# Altium PCB Farmduino.PcbDoc (part 1 of 3) (continued)
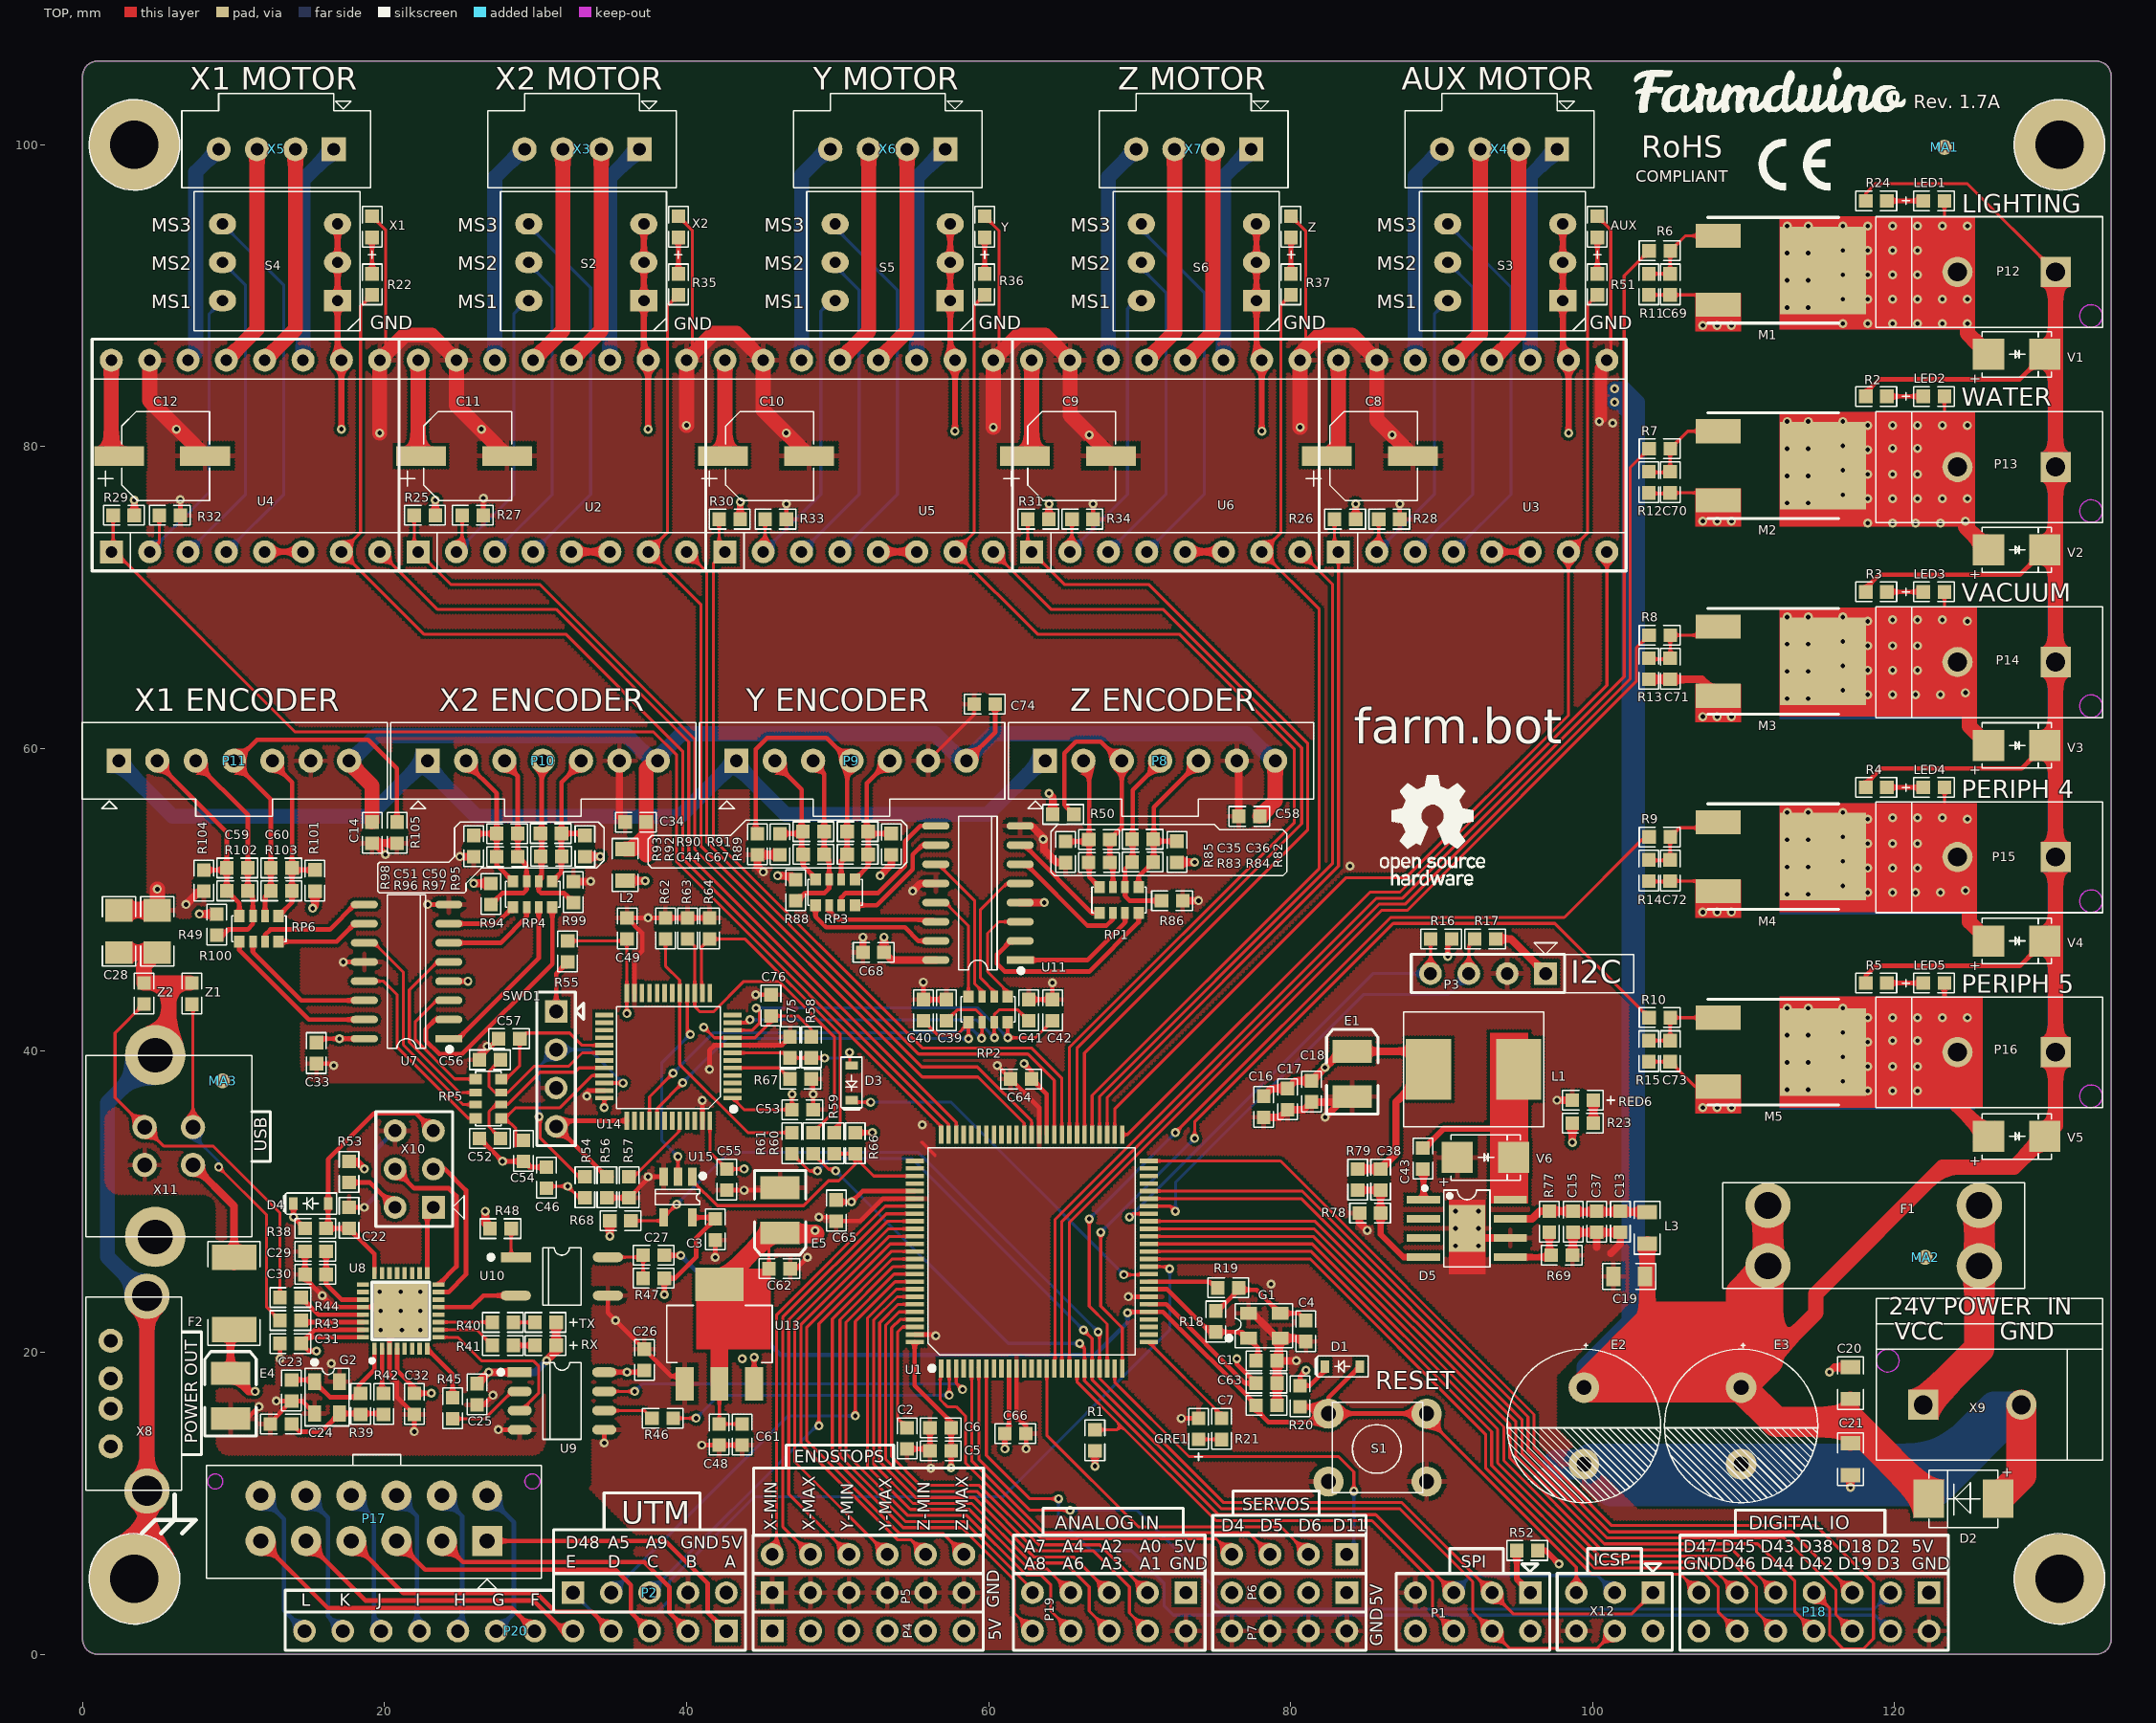
[diagram p0: TOP view]
## Classes and differential pairs
component class ZC-STM32: C53 C55 C61 C62 C76 R54 R55 R56 R57 R59 R60 R61 R62 R63 R64 R67 R68 SWD1 U14 U15
component class ZC-AB: C14 C33 C34 C35 C36 C39 C40 C41 C42 C44 C50 C51 C52 C54 C56 C57 C58 C59 C60 C67 C68 C74 L2 P8 P9 P10 P11 R50 R82 R83 R84 R85 R86 R88 R89 R90 R91 R92 R93 R94 R95 R96 R97 R98 R99 R100 R101 R102 R103 R104 R105 RP1 RP2 RP3 RP4 RP5 RP6 U7 U11
component class ZC-MCU: C1 C2 C3 C4 C5 C6 C7 C63 C64 C65 C66 C75 D1 D3 G1 GRE1 MA1 MA2 MA3 P1 P2 P17 P18 P19 P20 R1 R18 R19 R20 R21 R23 R52 R58 R66 RED6 S1 U1 X12
component class ZC-MOTOR: AUX C8 C9 C10 C11 C12 R22 R25 R26 R27 R28 R29 R30 R31 R32 R33 R34 R35 R36 R37 R51 S2 S3 S4 S5 S6 U2 U3 U4 U5 U6 X1 X2 X3 X4 X5 X6 X7 Y Z
component class ZC-POWER: C13 C15 C16 C17 C18 C19 C20 C21 C37 C38 C43 C46 C48 C49 D2 D5 E1 E2 E3 E5 F1 L1 L3 R69 R77 R78 R79 U13 V6 X8 X9
component class ZC-USB: C22 C23 C24 C25 C26 C27 C28 C29 C30 C31 C32 D4 E4 F2 G2 R38 R39 R40 R41 R42 R43 R44 R45 R46 R47 R48 R49 R53 RX TX U8 U9 U10 X10 X11 Z1 Z2
component class ZC_MOS: AUX1 AUX2 C69 C70 C71 C72 C73 LED1 LED2 LED3 LED4 LED5 LIGHTING M1 M2 M3 M4 M5 P3 P4 P5 P6 P7 P12 P13 P14 P15 P16 PUMP R2 R3 R4 R5 R6 R7 R8 R9 R10 R11 R12 R13 R14 R15 R16 R17 R24 SOLENOID V1 V2 V3 V4 V5

## Components (designator, comment, footprint, x,y, rotation, side; value= is the part's Value field where it differs from the comment)
AUX "LED,绿色,0603" LED-0603 100.322,93.869 r90 top
C1 "22PF,50V,0603" RC0603 77.716,19.447 r0 top
C2 "100NF,25V,0603" RC0603 54.602,15.002 r270 top
C3 "100NF,25V,0603" RC0603 41.902,28.845 r270 top
C4 "22PF,50V,0603" RC0603 81.018,20.717 r90 top
C5 "100NF,25V,0603" RC0603 57.523,13.478 r180 top
C6 "100NF,25V,0603" RC0603 57.523,15.002 r180 top
C7 "22PF,25V,0603" RC0603 77.716,16.484 r0 top
C8 "100UF,35V" EC-5X5.3 82.415,79.391 r0 top locked
C9 "100UF,35V" EC-5X5.3 62.413,79.391 r0 top locked
C10 "100UF,35V" EC-5X5.3 42.41,79.391 r0 top locked
C11 "100UF,35V" EC-5X5.3 22.408,79.391 r0 top locked
C12 "100UF,35V" EC-5X5.3 2.405,79.391 r0 top locked
C13 "100NF,25V,0603" RC0603 101.846,29.353 r270 top
C14 "1UF,16V,0603" RC0603 19.169,55.134 r270 top
C15 "4.7NF,50V,0603" RC0603 98.713,27.956 r90 top
C16 "1NF,25V,0603" RC0603 78.224,35.576 r90 top
C17 "100NF,25V,0603" RC0603 79.812,36.084 r90 top
C18 "100NF,25V,0603" RC0603 81.399,36.592 r90 top
C19 "100NF,50V,0805" RC0805 103.497,25.035 r180 top
C20 "100NF,50V,0805" RC0805 117.086,16.907 r90 top
C21 "100NF,50V,0805" RC0805 117.08,13.986 r270 top
C22 "22PF,25V,0603" RC0603 17.645,28.21 r90 top
C23 "22PF,50V,0603" RC0603 13.835,18.177 r270 top
C24 "22PF,50V,0603" RC0603 13.835,15.256 r180 top
C25 "100NF,25V,0603" RC0603 26.131,16.526 r90 top
C26 "100NF,25V,0603" RC0603 37.203,18.812 r90 top
C27 "100NF,25V,0603" RC0603 38.523,26.432 r180 top
C28 "1NF,1206,2000V" RC1206 2.405,49.292 r270 top
C29 "100NF,25V,0603" RC0603 14.724,26.686 r0 top
C30 "100NF,25V,0603" RC0603 14.724,25.162 r0 top
C31 "100NF,25V,0603" RC0603 13.073,20.59 r0 top
C32 "10UF,10V,0603" RC0603 21.963,15.891 r90 top
C33 "100NF,25V,0603" RC0603 15.486,40.529 r270 top
C34 "1UF,16V,0603" RC0603 37.33,55.134 r180 top
C35 "1NF,50V,0603" RC0603 66.633,53.984 r0 top
C36 "1NF,50V,0603" RC0603 69.51,53.997 r0 top
C37 "100NF,25V,0603" RC0603 100.28,29.353 r270 top
C38 "22PF,50V,0603" RC0603 85.971,32.147 r270 top
C39 "1NF,50V,0603" RC0603 57.206,43.374 r270 top
C40 "1NF,50V,0603" RC0603 55.682,43.374 r270 top
C41 "1NF,50V,0603" RC0603 62.667,43.374 r270 top
C42 "1NF,50V,0603" RC0603 64.233,43.374 r270 top
C43 "103,0603" RC0603 88.765,33.544 r270 top
C44 "1NF,50V,0603" RC0603 47.714,52.988 r0 top
C46 "100NF,25V,0603" RC0603 30.726,32.274 r270 top
C48 "10UF,10V,0603" RC0603 42.156,13.859 r90 top
C49 "1NF,25V,0603" RC0603 36.06,48.784 r270 top
C50 "1NF,50V,0603" RC0603 30.317,54.378 r0 top
C51 "1NF,50V,0603" RC0603 27.424,54.372 r0 top
C52 "1NF,50V,0603" RC0603 26.281,34.179 r0 top
C53 "100NF,25V,0603" RC0603 46.982,36.084 r0 top
C54 "1NF,50V,0603" RC0603 29.202,32.655 r90 top
C55 "100NF,25V,0603" RC0603 42.664,32.147 r270 top
C56 "1NF,50V,0603" RC0603 26.281,39.386 r0 top
C57 "1NF,50V,0603" RC0603 27.552,40.783 r0 top
C58 "1UF,16V,0603" RC0603 77.97,55.515 r180 top
C59 "1NF,50V,0603" RC0603 9.549,52.093 r0 top
C60 "1NF,50V,0603" RC0603 12.47,52.093 r0 top
C61 "100NF,25V,0603" RC0603 43.68,15.256 r270 top
C62 "100NF,25V,0603" RC0603 45.458,25.543 r0 top
C63 "100NF,25V,0603" RC0603 77.716,17.965 r0 top
C64 "100NF,25V,0603" RC0603 62.857,38.116 r180 top
C65 "100NF,25V,0603" RC0603 49.911,30.099 r270 top
C66 "100NF,25V,0603" RC0603 61.079,14.621 r0 top
C67 "1NF,50V,0603" RC0603 50.635,52.988 r0 top
C68 "100NF,25V,0603" RC0603 53.078,46.498 r180 top
C69 "1NF,25V,0603" RC0603 105.148,90.059 r90 top
C70 "1NF,25V,0603" RC0603 105.148,76.946 r90 top
C71 "1NF,25V,0603" RC0603 105.148,64.595 r90 top
C72 "1NF,25V,0603" RC0603 105.148,51.229 r90 top
C73 "1NF,25V,0603" RC0603 105.148,39.259 r90 top
C74 "1UF,16V,0603" RC0603 60.444,62.941 r180 top
C75 "1NF,25V,0603" RC0603 46.855,40.91 r270 top
C76 "100NF,25V,0603" RC0603 45.593,42.291 r90 top
D1 "1N4148" SOD-323 82.288,19.066 r180 top
D2 "P6SMBJ24CA" SMB 126.865,10.303 r180 top
D3 "1N4148" SOD-323 50.927,36.703 r270 top
D4 "1N4148" SOD-323 13.962,29.861 r180 top
D5 "TPS543X" SO-8-1 91.686,28.21 r270 top
E1 "100uF,6.3V,3528" 3528-21 83.939,38.878 r0 top
E2 "100UF,50V" RB-.2X.4 99.433,17.669 r270 top locked
E3 "100UF,50V" RB-.2X.4 109.847,17.669 r270 top locked
E4 "100uF,6.3V,3528" 3528-21 9.644,17.542 r0 top
E5 "" 3528-21 46.347,28.972 r180 top (schematic designator E1)
F1 "0287015." GF-C40 111.625,29.734 r0 top
F2 "miniASMDC050F-2" RC1812 10.025,26.305 r270 top
G1 "16M" Y-3225 77.215,20.94 r0 top
G2 "16M" Y-3225 15.359,18.05 r270 top
GRE1 "LED,红色,0603" LED-0603 73.912,14.232 r90 top
L1 "22UH" L7*7 95.115,38.751 r180 top
L2 "60R,100MHZ,0805" RC0805 35.933,53.356 r270 top
L3 "60R,100MHZ,0805" RC0805 103.624,27.194 r90 top
LED1 "LED,绿色,0603" LED-0603 121.912,96.292 r0 top
LED2 "LED,绿色,0603" LED-0603 121.912,83.338 r0 top
LED3 "LED,绿色,0603" LED-0603 121.912,70.384 r0 top
LED4 "LED,绿色,0603" LED-0603 121.912,57.43 r0 top
LED5 "LED,绿色,0603" LED-0603 121.912,44.466 r0 top
M1 "IRFR3709ZTRPBF" DPAK 108.323,93.976 r270 top locked
M2 "IRFR3709ZTRPBF" DPAK 108.323,81.027 r270 top locked
M3 "IRFR3709ZTRPBF" DPAK 108.323,68.078 r270 top locked
M4 "IRFR3709ZTRPBF" DPAK 108.323,55.129 r270 top locked
M5 "IRFR3709ZTRPBF" DPAK 108.323,42.18 r270 top
MA1 "MAKE" MARK 123.309,99.838 r90 top (schematic designator M400)
MA2 "MAKE" MARK 122.039,26.305 r90 top (schematic designator M400)
MA3 "MAKE" MARK 9.263,37.989 r90 top (schematic designator M400)
P1 "2*4-2.54" HDR2X4 95.893,4.08 r180 top locked
P2 "Header 5" HDR1X5 32.473,4.08 r0 top locked
P3 "1*4-2.54" HDR1X4#1 96.893,45.101 r180 top locked
P4 "2*6-2.54" HDR2X6 45.673,1.54 r0 top locked
P5 "2*6-2.54" HDR2X6 45.673,4.08 r0 top locked
P6 "2*4-2.54" HDR2X4 83.733,6.62 r180 top locked
P7 "2*4-2.54" HDR2X4 83.733,4.08 r180 top locked
P8 "Header 7" DIP-1*7-2.54 63.746,59.198 r0 top locked
P9 "Header 7" DIP-1*7-2.54 43.299,59.198 r0 top locked
P10 "Header 7" DIP-1*7-2.54 22.852,59.198 r0 top locked
P11 "Header 7" DIP-1*7-2.54 2.405,59.198 r0 top locked
P12 "Molex 151048-1206" 151048 130.675,91.583 r270 top locked
P13 "Molex 151048-1206" 151048 130.675,78.661 r270 top locked
P14 "Molex 151048-1206" 151048 130.675,65.738 r270 top locked
P15 "Molex 151048-1206" 151048 130.675,52.816 r270 top locked
P16 "Molex 151048-1206" 151048 130.675,39.894 r270 top locked
P17 "Molex 43045-1212" 43045-1212 26.789,7.509 r0 top locked
P18 "Header 7X2" HDR2X7 122.293,4.08 r180 top locked
P19 "Header 5X2" HDR2X5 73.073,4.08 r180 top locked
P20 "Header 12" HDR1X12 42.633,1.54 r180 top locked
R1 "10K,1%,0603" RC0603 67.048,14.875 r270 top
R2 "10K,1%,0603" RC0603 118.102,83.338 r0 top
R3 "10K,1%,0603" RC0603 118.102,70.384 r0 top
R4 "10K,1%,0603" RC0603 118.102,57.43 r0 top
R5 "10K,1%,0603" RC0603 118.102,44.466 r0 top
R6 "10R,1%,0603" RC0603 103.751,92.98 r0 top
R7 "10R,1%,0603" RC0603 103.751,79.867 r0 top
R8 "10R,1%,0603" RC0603 103.751,67.516 r0 top
R9 "10R,1%,0603" RC0603 103.751,54.15 r0 top
R10 "10R,1%,0603" RC0603 103.751,42.18 r0 top
R11 "10K,1%,0603" RC0603 103.728,90.059 r90 top
R12 "10K,1%,0603" RC0603 103.728,76.946 r90 top
R13 "10K,1%,0603" RC0603 103.728,65.99 r270 top
R14 "10K,1%,0603" RC0603 103.728,51.229 r90 top
R15 "10K,1%,0603" RC0603 103.728,39.259 r90 top
R16 "4.7K,1%,0603" RC0603 89.273,47.387 r0 top
R17 "4.7K,1%,0603" RC0603 92.194,47.387 r0 top
R18 "1M,1%,0603" RC0603 75.049,21.352 r90 top
R19 "10R,1%,0603" RC0603 76.573,24.273 r180 top
R20 "10K,1%,0603" RC0603 80.637,17.794 r270 top
R21 "2K,1%,0603" RC0603 75.436,15.629 r270 top
R22 "2K,1%,0603" RC0603 19.169,90.059 r90 top
R23 "2K,1%,0603" RC0603 98.665,35.184 r0 top
R24 "10K,1%,0603" RC0603 118.102,96.292 r0 top
R25 "10K,1%,0603" RC0603 23.36,75.454 r180 top
R26 "10K,1%,0603" RC0603 84.32,75.2 r180 top
R27 "100K,1%,0603" RC0603 25.138,75.454 r0 top
R28 "100K,1%,0603" RC0603 85.844,75.2 r0 top
R29 "10K,1%,0603" RC0603 3.421,75.454 r180 top
R30 "10K,1%,0603" RC0603 43.553,75.2 r180 top
R31 "10K,1%,0603" RC0603 64,75.2 r180 top
R32 "100K,1%,0603" RC0603 5.072,75.454 r0 top
R33 "100K,1%,0603" RC0603 45.204,75.2 r0 top
R34 "100K,1%,0603" RC0603 65.524,75.2 r0 top
R35 "2K,1%,0603" RC0603 39.457,90.059 r90 top
R36 "2K,1%,0603" RC0603 59.746,90.059 r90 top
R37 "2K,1%,0603" RC0603 80.034,90.059 r90 top
R38 "10K,1%,0603" RC0603 14.724,28.21 r0 top
R39 "1M,1%,0603" RC0603 18.407,17.288 r270 top
R40 "2K,1%,0603" RC0603 28.538,21.987 r180 top
R41 "2K,1%,0603" RC0603 28.538,20.463 r180 top
R42 "10R,1%,0603" RC0603 19.931,15.891 r90 top
R43 "10R,1%,0603" RC0603 13.073,22.114 r0 top
R44 "10R,1%,0603" RC0603 13.073,23.638 r0 top
R45 "1K,1%,0603" RC0603 24.503,15.594 r90 top
R46 "1K,1%,0603" RC0603 39.108,15.637 r180 top
R47 "10K,1%,0603" RC0603 37.126,24.908 r0 top
R48 "1K,1%,0603" RC0603 26.982,28.201 r0 top
R49 "1M,1%,1206" RC1206 4.945,49.292 r270 top
R50 "20K,1%,0603" RC0603 64.254,55.642 r0 top
R51 "2K,1%,0603" RC0603 100.322,90.059 r90 top
R52 "10R,1%,0603" RC0603 94.988,6.874 r0 top
R53 "10R,1%,0603" RC0603 17.645,32.655 r270 top
R54 "10K,1%,0603" RC0603 33.266,30.242 r90 top
R55 "10R,1%,0603" RC0603 32.123,47.26 r270 top
R56 "10K,1%,0603" RC0603 34.727,30.242 r90 top
R57 "10K,1%,0603" RC0603 36.187,30.242 r90 top
R58 "10K,1%,0603" RC0603 48.26,40.91 r270 top
R59 "2K,1%,0603" RC0603 49.776,33.163 r90 top
R60 "2K,1%,0603" RC0603 48.379,33.163 r90 top
R61 "2K,1%,0603" RC0603 46.982,33.163 r90 top
R62 "10K,1%,0603" RC0603 38.6,48.784 r270 top
R63 "10K,1%,0603" RC0603 40.061,48.784 r270 top
R64 "10K,1%,0603" RC0603 41.521,48.784 r270 top
R66 "10K,1%,0603" RC0603 51.173,33.163 r90 top
R67 "10K,1%,0603" RC0603 46.855,38.116 r0 top
R68 "10K,1%,0603" RC0603 36.314,28.718 r180 top
R69 "33K,1%,0603" RC0603 97.274,26.432 r0 top
R77 "100K,1%,0603" RC0603 97.147,29.353 r270 top
R78 "3.24K,1%,0603" RC0603 85.971,29.226 r180 top
R79 "10K,1%,0603" RC0603 84.447,30.75 r90 top
R82 "20K,1%,0603" RC0603 72.473,52.467 r90 top
R83 "390R,1%,0603" RC0603 68.028,52.467 r180 top
R84 "390R,1%,0603" RC0603 70.905,52.48 r180 top
R85 "20K,1%,0603" RC0603 65.107,53.849 r270 top
R86 "20K,1%,0603" RC0603 71.457,49.927 r0 top
R88 "20K,1%,0603" RC0603 47.236,51.324 r270 top
R89 "20K,1%,0603" RC0603 53.556,52.975 r90 top
R90 "390R,1%,0603" RC0603 49.109,54.505 r180 top
R91 "390R,1%,0603" RC0603 52.03,54.505 r180 top
R92 "20K,1%,0603" RC0603 46.19,54.37 r270 top
R93 "20K,1%,0603" RC0603 44.696,54.367 r270 top
R94 "20K,1%,0603" RC0603 27.043,51.07 r270 top
R95 "20K,1%,0603" RC0603 33.266,52.848 r90 top
R96 "390R,1%,0603" RC0603 28.821,52.848 r180 top
R97 "390R,1%,0603" RC0603 31.738,52.861 r180 top
R98 "20K,1%,0603" RC0603 25.9,54.245 r270 top
R99 "20K,1%,0603" RC0603 32.504,49.8 r90 top
R100 "20K,1%,0603" RC0603 8.882,49.038 r270 top
R101 "20K,1%,0603" RC0603 15.391,50.563 r90 top
R102 "390R,1%,0603" RC0603 10.944,50.576 r180 top
R103 "390R,1%,0603" RC0603 13.865,50.576 r180 top
R104 "20K,1%,0603" RC0603 8.025,51.96 r270 top
R105 "20K,1%,0603" RC0603 20.82,55.134 r270 top
RED6 "LED,绿色,0603" LED-0603 100.062,36.708 r180 top
RP1 "1K,1%,1608" RP1608 69.943,50.816 r270 top
RP2 "1K,1%,1608" RP1608 61.27,43.577 r270 top
RP3 "1K,1%,1608" RP1608 51.143,51.324 r270 top
RP4 "1K,1%,1608" RP1608 31.107,51.197 r270 top
RP5 "1K,1%,1608" RP1608 26.027,38.116 r0 top
RP6 "1K,1%,1608" RP1608 12.978,48.912 r270 top
RX "LED,红色,0603" LED-0603 31.361,20.463 r180 top (schematic designator GRE2)
S1 "SW-PB" DIP6*6 89.019,11.446 r180 top
S2 "SW DIP-3" DIP-3-SW 37.171,89.678 r90 top locked
S3 "SW DIP-3" DIP-3-SW 98.036,89.678 r90 top locked
S4 "SW DIP-3" DIP-3-SW 16.883,89.678 r90 top
S5 "SW DIP-3" DIP-3-SW 57.46,89.678 r90 top locked
S6 "SW DIP-3" DIP-3-SW 77.748,89.678 r90 top locked
SWD1 "Header 4" HDR1X4#2 31.361,42.593 r270 top locked
TX "LED,绿色,0603" LED-0603 31.361,21.987 r180 top (schematic designator RED7)
U1 "ATMEG2560-16AU" LQFP-100 62.857,26.686 r0 top locked
U2 "NC/A4988" A4988 22.217,73.04 r90 top locked
U3 "NC/A4988" A4988 83.177,73.04 r90 top locked
U4 "NC/A4988" A4988 1.897,73.04 r90 top locked
U5 "NC/A4988" A4988 42.537,73.04 r90 top locked
U6 "NC/A4988" A4988 62.857,73.04 r90 top locked
U7 "AM26LS32" SO-16-H 24.249,40.783 r180 top
U8 "ATMEGA16U2-MU" QFN-32 21.074,22.749 r0 top
U9 "ADUM1201" SO-8N 28.948,18.685 r0 top
U10 "TLP185GB" SO-4 28.694,26.305 r270 top
U11 "AM26LS32" SO-16-H 62.095,45.99 r180 top
U13 "AMS1117-3.3" SOT-223 39.87,17.923 r0 top
U14 "STM32F303CXT6" LQFP-48 43.045,36.846 r90 top
U15 "SN74AHCT1G125DBVRE4" SOT-23-5 40.378,31.639 r270 top
V1 "B180-13-F" SMA 126.23,86.122 r0 top
V2 "B180-13-F" SMA 126.23,73.168 r0 top
V3 "B180-13-F" SMA 126.23,60.214 r0 top
V4 "B180-13-F" SMA 126.23,47.26 r0 top
V5 "B180-13-F" SMA 126.23,34.306 r0 top
V6 "B340A" SMA 91.051,32.909 r0 top
X1 "LED,绿色,0603" LED-0603 19.169,93.869 r90 top
X2 "LED,绿色,0603" LED-0603 39.457,93.869 r90 top
X3 "Molex 70543-0038" DIP-1*4-2.54 36.886,99.711 r180 top locked
X4 "Molex 70543-0038" DIP-1*4-2.54 97.655,99.711 r180 top locked
X5 "Molex 70543-0038" DIP-1*4-2.54 16.629,99.711 r180 top locked
X6 "Molex 70543-0038" DIP-1*4-2.54 57.142,99.711 r180 top locked
X7 "Molex 70543-0038" DIP-1*4-2.54 77.399,99.711 r180 top locked
X8 "USB-A" USB-A180 1.858,17.272 r90 top locked
X9 "Molex 151048-1206" 151048 121.912,16.526 r90 top locked
X10 "2*3-2.54" HDR2X3 23.233,29.607 r90 top locked
X11 "USB-B" USB-B180 5.707,33.671 r270 top locked
X12 "2*3-2.54" HDR2X3 104.013,4.08 r180 top
Y "LED,绿色,0603" LED-0603 59.746,93.869 r90 top
Z "LED,绿色,0603" LED-0603 80.034,93.869 r90 top
Z1 "cg0603mlc-05e" RC0603 7.231,44.466 r270 top
Z2 "cg0603mlc-05e" RC0603 4.056,44.477 r270 top

## Footprints (in the part's own frame and the unit in brackets; to place one, negate y for a bottom-side part, rotate by r counter-clockwise, add the part's x,y. Pads: shape width x height; smd on the part's side, far side on the other; paste and mask are expansions set on the pad)
3528-21 [mm]
  rect 2.6x1.5 smd: 1(0.152,1.067) 2(0.152,-1.933)
  silkscreen extent -1.55,-3.08 1.85,2.52
43045-1212 [mm]
  rect 2x2 hole 1: 1(0,0)
  round 2 hole 1: 2(-3,0) 3(-6,0) 4(-9,0) 5(-12,0) 6(-15,0) 7(0,3) 8(-3,3) 9(-6,3) 10(-9,3) 11(-12,3) 12(-15,3)
  Keep-Out Layer circle w0.1: c-18,3.94 r0.5
  Keep-Out Layer circle w0.1: c3,3.94 r0.5
  silkscreen extent -18.6,-3.17 3.6,5.71
151048 [mm]
  rect 2x2 hole 1.25: 1(0,0)
  round 2 hole 1.25: 2(0,-6.5)
  Keep-Out Layer circle w0.1: c2.92,2.35 r0.75
  silkscreen extent -3.66,-11.89 3.68,3.11
A4988 [mil]
  rect 60x60 hole 30: 1(0,0)
  round 60 hole 30: 2(0,-100) 3(0,-200) 4(0,-300) 5(0,-400) 6(0,-500) 7(0,-600) 8(0,-700) 9(500,-700) 10(500,-600) 11(500,-500) 12(500,-400) 13(500,-300) 14(500,-200) 15(500,-100) 16(500,0)
  silkscreen extent -50,-750 555,50
DIP6*6 [mm]
  round 2 hole 1: 1(0,0) 1(6.5,0) 2(0,-4.5) 2(6.5,-4.5)
  silkscreen extent 0.25,-5.25 6.25,0.75
DIP-1*4-2.54 [mm]
  rect 1.6x1.6 hole 0.85: 1(0,0)
  round 1.6 hole 0.85: 2(2.54,0) 3(5.08,0) 4(7.62,0)
  silkscreen extent -2.44,-3.68 10.06,2.54
DIP-1*7-2.54 [mm]
  rect 1.6x1.6 hole 0.85: 1(0,0)
  round 1.6 hole 0.85: 2(2.54,0) 3(5.08,0) 4(7.62,0) 5(10.16,0) 6(12.7,0) 7(15.24,0)
  silkscreen extent -2.44,-3.68 17.78,2.54
DIP-3-SW [mm]
  rect 1.4x1.8 hole 0.75: 1(0,0)
  oval 1.4x1.8 hole 0.75: 2(2.54,0) 3(5.08,0) 4(5.08,7.62) 5(2.54,7.62) 6(0,7.62)
  silkscreen extent -2,-1.5 7.24,9.5
DPAK [mm]
  rect 1.6x3 smd: 1(0,0) 3(4.572,0)
  rect 5.8x5.7 smd: 4(2.286,6.94)
  silkscreen extent -1.21,-0.7 5.79,8
EC-5X5.3 [mm]
  rect 3.3x1.3 smd: 1(0,0) 2(5.7,0)
  silkscreen extent -1.4,-2.95 6,2.95
GF-C40 [mm]
  round 3 hole 1.75: 1(0,-4) 1(0,0) 2(14,-4) 2(14,0)
  silkscreen extent -3,-5.5 17,1.5
HDR1X4#1 [mm] "Connector; Header; 4 Position"
  rect 1.5x1.5 hole 0.85: 1(0,0)
  round 1.5 hole 0.85: 2(2.54,0) 3(5.08,0) 4(7.62,0)
  silkscreen extent -1.27,-1.27 8.89,1.27
HDR1X4#2 [mm] "Connector; Header; 4 Position"
  rect 1.5x1.5 hole 0.9: 1(0,0)
  round 1.5 hole 0.9: 2(2.54,0) 3(5.08,0) 4(7.62,0)
  silkscreen extent -1.27,-1.27 8.89,1.27
HDR1X5 [mm] "Connector; Header; 5 Position"
  rect 1.5x1.5 hole 0.9: 1(0,0)
  round 1.5 hole 0.9: 2(2.54,0) 3(5.08,0) 4(7.62,0) 5(10.16,0)
  silkscreen extent -1.27,-1.27 11.43,1.27
HDR1X12 [mm] "Connector; Header; 12 Position"
  rect 1.5x1.5 hole 0.9: 1(0,0)
  round 1.5 hole 0.9: 2(2.54,0) 3(5.08,0) 4(7.62,0) 5(10.16,0) 6(12.7,0) 7(15.24,0) 8(17.78,0) 9(20.32,0) 10(22.86,0) 11(25.4,0) 12(27.94,0)
  silkscreen extent -1.27,-1.27 29.21,1.27
HDR2X3 [mm] "Connector; Header; 3x2 Position"
  rect 1.5x1.5 hole 0.85: 1(0,0)
  round 1.5 hole 0.85: 2(0,2.54) 3(2.54,0) 4(2.54,2.54) 5(5.08,0) 6(5.08,2.54)
  silkscreen extent -1.27,-1.27 6.35,3.81
HDR2X4 [mm] "Connector; Header; 4x2 Position"
  rect 1.5x1.5 hole 0.85: 1(0,0)
  round 1.5 hole 0.85: 2(0,2.54) 3(2.54,0) 4(2.54,2.54) 5(5.08,0) 6(5.08,2.54) 7(7.62,0) 8(7.62,2.54)
  silkscreen extent -1.27,-1.27 8.89,3.81
HDR2X5 [mm] "Connector; Header; 5x2 Position"
  rect 1.5x1.5 hole 0.85: 1(0,0)
  round 1.5 hole 0.85: 2(0,2.54) 3(2.54,0) 4(2.54,2.54) 5(5.08,0) 6(5.08,2.54) 7(7.62,0) 8(7.62,2.54) 9(10.16,0) 10(10.16,2.54)
  silkscreen extent -1.27,-1.27 11.43,3.81
HDR2X6 [mm] "Connector; Header; 6x2 Position"
  rect 1.5x1.5 hole 0.85: 1(0,0)
  round 1.5 hole 0.85: 2(0,2.54) 3(2.54,0) 4(2.54,2.54) 5(5.08,0) 6(5.08,2.54) 7(7.62,0) 8(7.62,2.54) 9(10.16,0) 10(10.16,2.54) 11(12.7,0) 12(12.7,2.54)
  silkscreen extent -1.27,-1.27 13.97,3.81
HDR2X7 [mm] "Connector; Header; 7x2 Position"
  rect 1.5x1.5 hole 0.9: 1(0,0)
  round 1.5 hole 0.9: 2(0,2.54) 3(2.54,0) 4(2.54,2.54) 5(5.08,0) 6(5.08,2.54) 7(7.62,0) 8(7.62,2.54) 9(10.16,0) 10(10.16,2.54) 11(12.7,0) 12(12.7,2.54) 13(15.24,0) 14(15.24,2.54)
  silkscreen extent -1.27,-1.27 16.51,3.81
L7*7 [mm]
  rect 3x4 smd: 1(0,0) 2(5.969,0)
  silkscreen extent -1.65,-3.8 7.62,3.8
LED-0603 [mm]
  rect 0.9x0.9 smd: 1(0,0) 2(1.4,0)
  silkscreen extent -1.39,-0.65 2.04,0.65
LQFP-48 [mm]
  rect 0.3x1.2 smd: 1(0,0) 2(0.5,0) 3(1,0) 4(1.5,0) 5(2,0) 6(2.5,0) 7(3,0) 8(3.5,0) 9(4,0) 10(4.5,0) 11(5,0) 12(5.5,0) 25(5.5,8.5) 26(5,8.5) 27(4.5,8.5) 28(4,8.5) 29(3.5,8.5) 30(3,8.5) 31(2.5,8.5) 32(2,8.5) 33(1.5,8.5) 34(1,8.5) 35(0.5,8.5) 36(0,8.5)
  rect 1.2x0.3 smd: 13(6.958,1.5) 14(6.958,2) 15(6.958,2.5) 16(6.958,3) 17(6.958,3.5) 18(6.958,4) 19(6.958,4.5) 20(6.958,5) 21(6.958,5.5) 22(6.958,6) 23(6.958,6.5) 24(6.958,7) 37(-1.5,7) 38(-1.5,6.5) 39(-1.5,6) 40(-1.5,5.5) 41(-1.5,5) 42(-1.5,4.5) 43(-1.5,4) 44(-1.5,3.5) 45(-1.5,3) 46(-1.5,2.5) 47(-1.5,2) 48(-1.5,1.5)
  silkscreen extent -0.91,-0.25 6.05,7.68
LQFP-100 [mm]
  rect 0.3x1.2 smd: 1(-6,-7.75) 2(-5.5,-7.75) 3(-5,-7.75) 4(-4.5,-7.75) 5(-4,-7.75) 6(-3.5,-7.75) 7(-3,-7.75) 8(-2.5,-7.75) 9(-2,-7.75) 10(-1.5,-7.75) 11(-1,-7.75) 12(-0.5,-7.75) 13(0,-7.75) 14(0.5,-7.75) 15(1,-7.75) 16(1.5,-7.75) 17(2,-7.75) 18(2.5,-7.75) 19(3,-7.75) 20(3.5,-7.75) 21(4,-7.75) 22(4.5,-7.75) 23(5,-7.75) 24(5.5,-7.75) 25(6,-7.75) 51(6,7.75) 52(5.5,7.75) 53(5,7.75) 54(4.5,7.75) 55(4,7.75) 56(3.5,7.75) 57(3,7.75) 58(2.5,7.75) 59(2,7.75) 60(1.5,7.75) 61(1,7.75) 62(0.5,7.75) 63(0,7.75) 64(-0.5,7.75) 65(-1,7.75) 66(-1.5,7.75) 67(-2,7.75) 68(-2.5,7.75) 69(-3,7.75) 70(-3.5,7.75) 71(-4,7.75) 72(-4.5,7.75) 73(-5,7.75) 74(-5.5,7.75) 75(-6,7.75)
  rect 1.2x0.3 smd: 26(7.75,-6) 27(7.75,-5.5) 28(7.75,-5) 29(7.75,-4.5) 30(7.75,-4) 31(7.75,-3.5) 32(7.75,-3) 33(7.75,-2.5) 34(7.75,-2) 35(7.75,-1.5) 36(7.75,-1) 37(7.75,-0.5) 38(7.75,0) 39(7.75,0.5) 40(7.75,1) 41(7.75,1.5) 42(7.75,2) 43(7.75,2.5) 44(7.75,3) 45(7.75,3.5) 46(7.75,4) 47(7.75,4.5) 48(7.75,5) 49(7.75,5.5) 50(7.75,6) 76(-7.75,6) 77(-7.75,5.5) 78(-7.75,5) 79(-7.75,4.5) 80(-7.75,4) 81(-7.75,3.5) 82(-7.75,3) 83(-7.75,2.5) 84(-7.75,2) 85(-7.75,1.5) 86(-7.75,1) 87(-7.75,0.5) 88(-7.75,0) 89(-7.75,-0.5) 90(-7.75,-1) 91(-7.75,-1.5) 92(-7.75,-2) 93(-7.75,-2.5) 94(-7.75,-3) 95(-7.75,-3.5) 96(-7.75,-4) 97(-7.75,-4.5) 98(-7.75,-5) 99(-7.75,-5.5) 100(-7.75,-6)
  silkscreen extent -6.86,-7.93 6.86,6.86
MARK [mm]
  round 1 smd mask+1: 1(0,0)
  round 1 smd far side mask+1: 1(0,0)
QFN-32 [mm]
  rect 0.3x0.8 smd: 1(-1.75,-2.5) 2(-1.25,-2.5) 3(-0.75,-2.5) 4(-0.25,-2.5) 5(0.25,-2.5) 6(0.75,-2.5) 7(1.25,-2.5) 8(1.75,-2.5) 17(1.75,2.5) 18(1.25,2.5) 19(0.75,2.5) 20(0.25,2.5) 21(-0.25,2.5) 22(-0.75,2.5) 23(-1.25,2.5) 24(-1.75,2.5)
  rect 0.8x0.3 smd: 9(2.5,-1.75) 10(2.5,-1.25) 11(2.5,-0.75) 12(2.5,-0.25) 13(2.5,0.25) 14(2.5,0.75) 15(2.5,1.25) 16(2.5,1.75) 25(-2.5,1.75) 26(-2.5,1.25) 27(-2.5,0.75) 28(-2.5,0.25) 29(-2.5,-0.25) 30(-2.5,-0.75) 31(-2.5,-1.25) 32(-2.5,-1.75)
  rect 3.6x3.6 smd: 33(0,0)
  silkscreen extent -2.03,-3.43 1.91,1.91
RB-.2X.4 [mil]
  round 80 hole 39.02: 1(0,0)
  round 80 hole 39: 2(200,0)
  silkscreen extent -115,-200 300,200
RC0603 [mm]
  rect 0.9x0.9 smd: 1(0,0) 2(1.4,0)
  silkscreen extent -0.65,-0.65 2.04,0.65
RC0805 [mm]
  rect 0.95x1.3 smd: 1(0.01,0.003) 2(2.11,0.003)
  silkscreen extent -0.69,-0.85 2.81,0.85
RC1206 [mm]
  rect 1.5x1.8 smd: 1(0,0) 2(2.8,0)
  silkscreen extent -0.9,-1.1 3.7,1.1
RC1812 [mm]
  rect 1.68x2.95 smd: 1(0,0) 2(4.78,0)
  silkscreen extent -1.04,-1.73 5.84,1.73
RP1608 [mm]
  rect 0.8x0.7 smd: 1(0,0) 4(0,-2.6) 5(1.7,-2.6) 8(1.7,0)
  rect 0.8x0.5 smd: 2(0,-0.9) 3(0,-1.7) 6(1.7,-1.7) 7(1.7,-0.9)
  silkscreen extent 0,-3.1 1.7,0.5
SMA [mm]
  rect 2.07x2.06 smd: 1(0,0) 2(3.73,0)
  silkscreen extent -0.44,-1.5 4.17,1.5
SMB [mil]
  rect 80x100 smd: 1(0.28,0.01) 2(180.27,0.01)
  silkscreen extent 0,-75 180,75
SO-4 [mm]
  rect 0.65x2 smd: 1(0,0)
  oval 0.65x2 smd: 2(2.54,0) 3(2.54,6.1) 4(0,6.1)
  silkscreen extent -0.64,-1.8 3.17,4.31
SO-8-1 [mm]
  rect 0.5x2.2 smd: 1(-1.905,-2.875) 2(-0.635,-2.875) 3(0.635,-2.875) 4(1.905,-2.875) 5(1.905,2.875) 6(0.635,2.875) 7(-0.635,2.875) 8(-1.905,2.875)
  rect 3.1x2.4 smd: 9(0,0)
  silkscreen extent -2.79,-2.92 2.54,1.52
SO-8N [mm]
  rect 1.6x0.65 smd: 1(0,0)
  oval 1.6x0.65 smd: 2(0,-1.27) 3(0,-2.54) 4(0,-3.81) 5(5.6,-3.81) 6(5.6,-2.54) 7(5.6,-1.27) 8(5.6,0)
  silkscreen extent -1.4,-4.44 4.06,0.64
SO-16-H [mm]
  rect 1.8x0.5 smd: 1(0,0)
  oval 1.8x0.5 smd: 2(0,-1.27) 3(0,-2.54) 4(0,-3.81) 5(0,-5.08) 6(0,-6.35) 7(0,-7.62) 8(0,-8.89) 9(5.588,-8.89) 10(5.588,-7.62) 11(5.588,-6.35) 12(5.588,-5.08) 13(5.588,-3.81) 14(5.588,-2.54) 15(5.588,-1.27) 16(5.588,0)
  silkscreen extent -0.2,-9.53 4.06,0.85
SOD-323 [mm]
  rect 0.56x0.82 smd: 1(-2.3,0) 2(0,0)
  silkscreen extent -2.86,-0.7 0.64,0.7
SOT-23-5 [mm]
  rect 1.2x0.55 smd: 1(0,0) 2(0,-0.95) 3(0,-1.9) 4(2.7,-1.9) 5(2.7,0)
  silkscreen extent -0.2,-2.45 1.85,0.85
SOT-223 [mm]
  rect 1.2x2.2 smd: 1(0.005,-0.01) 2(2.305,-0.01) 3(4.605,-0.01)
  rect 3.2x2.2 smd: 4(2.305,6.59)
  silkscreen extent -1.2,1.39 5.8,5.19
USB-A180 [mm]
  round 1.6 hole 0.9: 1(-3.5,0) 2(-1,0) 3(1,0) 4(3.5,0)
  round 3 hole 2: 5(-6.45,-2.4) 6(6.45,-2.4)
  silkscreen extent -6.4,-4.7 6.4,1.65
USB-B180 [mm]
  round 1.6 hole 1: 1(1.25,1.6) 2(-1.25,1.6) 3(-1.25,-1.6) 4(1.25,-1.6)
  round 4 hole 2.3: 5(-6.02,-0.9) 6(6.02,-0.9)
  silkscreen extent -6,-5.5 6,5.5
Y-3225 [mm]
  rect 1.1x0.85 smd: 1(0,0) 2(2.1,0) 3(2.1,1.65) 4(0,1.65)
  silkscreen extent -1.44,-0.64 2.92,2.29

## Part data
AUX GRE1 LED1 LED2 LED3 LED4 LED5 RED6 RX TX X1 X2 Y Z: library part LED0, "Typical INFRARED GaAs LED"
C1 C2 C3 C4 C5 C6 C7 C13 C14 C15 C16 C17 C18 C19 C20 C21 C22 C23 C24 C25 C26 C27 C28 C29 C30 C31 C32 C33 C34 C35 C36 C37 C38 C39 C40 C41 C42 C43 C44 C46 C48 C49 C50 C51 C52 C53 C54 C55 C56 C57 C58 C59 C60 C61 C62 C63 C64 C65 C66 C67 C68 C69 C70 C71 C72 C73 C74 C75 C76: library part Cap, "Capacitor"
C8 C9 C10 C11 C12 E2 E3: library part "Cap Pol3", "Polarized Capacitor (Surface Mount)"
D1 D3 D4 V1 V2 V3 V4 V5 V6: library part Diode, "Default Diode"
D2: library part "D Schottky", "Schottky Diode"
E1 E4 E5: library part "Cap Pol2", "Polarized Capacitor (Axial)"
F1: library part "Fuse 1", "Fuse"
F2: library part "Fuse Thermal", "Thermal Fuse"
G1 G2: library part G
L1 L2 L3: library part Inductor, "Inductor"
M1 M2 M3 M4 M5: library part AP94T07
MA1 MA2 MA3: library part BNC, "BNC Elbow Connector"
P1 P6 P7: library part "Header 4X2", "Header, 4-Pin, Dual row"
P2: "Header, 5-Pin"
P3 X3 X4 X5 X6 X7: library part "Header 4", "Header, 4-Pin"
P4 P5: library part "Header 6X2", "Header, 6-Pin, Dual row"
P8 P9 P10 P11: "Header, 7-Pin"
P12 P13 P14 P15 P16 X9: library part "Header 2", "Header, 2-Pin"
P17: library part "Header 12", "Header, 12-Pin"
P18: "Header, 7-Pin, Dual row"
P19: "Header, 5-Pin, Dual row"
P20: "Header, 12-Pin"
R1 R2 R3 R4 R5 R6 R7 R8 R9 R10 R11 R12 R13 R14 R15 R16 R17 R18 R19 R20 R21 R22 R23 R24 R25 R26 R27 R28 R29 R30 R31 R32 R33 R34 R35 R36 R37 R38 R39 R40 R41 R42 R43 R44 R45 R46 R47 R48 R49 R50 R51 R52 R53 R54 R55 R56 R57 R58 R59 R60 R61 R62 R63 R64 R66 R67 R68 R69 R77 R78 R79 R82 R83 R84 R85 R86 R88 R89 R90 R91 R92 R93 R94 R95 R96 R97 R98 R99 R100 R101 R102 R103 R104 R105: library part Res2, "Resistor"
RP1 RP2 RP3 RP4 RP5 RP6: library part RP1608-1
S1: "Switch"
S2 S3 S4 S5 S6: "DIP Switch, 3 Position, SPST"
SWD1: "Header, 4-Pin"
U2 U3 U4 U5 U6: library part A4988
U8: library part ATMEGA8U2-MU
U10: library part Optoisolator1, "4-Pin Phototransistor Optocoupler"
U14: library part STM32F303
U15: library part 74AHCT1G125
X10 X12: library part "Header 3X2", "Header, 3-Pin, Dual row"
X11: library part B-USC
Z1 Z2: library part "Res Varistor", "Varistor (Voltage-Sensitive Resistor)"

## Free pads (board coordinates)
  round 6 hole 3.2: 0(3.429,5) 0(3.429,100) 0(130.929,5) 0(130.929,100)

## Via types
v1: diameter 0.6, hole 0.3, TOP to BOTTOM, 348 vias

## Nets (pads, with @x,y where several pads share a name; then routed paths per layer and width w, separated by ;. In a path a pad name is that pad's centre, name@x,y a point inside that pad or via, vN(x,y) a via of type N, cw(c..) or ccw(c..) an arc to the next point about the centre after c; other vN are vias at no path point)
3.3V: C46.2 C48.2 C49.2 C53.1 C55.1 C61.1 C62.1 C76.1 E5.1 R54.1 R55.1 R58.1 U13.2 U13.4 U14.1 U14.9 U14.24 U14.36 U14.48 | length 54.4
  TOP w0.2: C46.2@30.726,30.874 30.856,31.004 v1(32.123,31.004) 32.885,30.242 R54.1@33.266,30.242 ; R55.1@32.123,47.26 C49.2@35.936,47.26 ; v1(34.545,36.22) U14.36@34.545,36.846 ; v1(36.045,42.449) U14.24@36.045,43.803 C49.2@36.045,47.26 ; v1(41.14,41.545) 41.839,40.846 U14.9@43.045,40.846 44.529,40.846 45.593,41.91 C76.1@45.593,42.291 47.371,42.291 48.26,41.402 R58.1@48.26,40.91 ; U14.48@41.545,35.346 41.545,33.266 C55.1@42.664,32.147 v1(43.807,32.147) ; C48.2@42.159,15.256 C61.1@43.68,15.256 ; C48.2@42.175,15.278 U13.2@42.175,17.913 ; U14.1@43.045,36.846 43.807,36.084 C53.1@46.982,36.084 v1(46.982,37.1) ; C62.1@45.458,25.543 E5.1@45.458,27.448
  TOP w1.2: U13.2@42.175,17.913 U13.4@42.175,24.513 45.567,27.905 E5.1@46.195,27.905 46.244,27.856 v1@48.514,27.856
  VCC w0.2: v1(32.123,31.004) 34.809,31.004
  other v1: 48.514,28.067
5V: C3.1 C5.1 C6.1 C16.2 C17.2 C18.2 C26.1 C33.1 C38.1 C63.1 C64.1 C65.1 C66.1 C68.1 D1.2 E1.1 L1.2 L2.2 P1.1 P2.5 P3.1 P4.1 P4.3 P4.5 P4.7 P4.9 P4.11 P6.2 P6.4 P6.6 P6.8 P7.1 P7.3 P7.5 P7.7 P18.1 P19.1 R1.2 R16.2 R17.2 R20.1 R23.1 R25.1 R26.1 R29.1 R30.1 R31.1 R47.2 R50.1 R52.1 R66.2 R68.2 R79.2 R82.1 R88.1 R89.1 R94.1 R95.1 R100.1 R101.1 S2.1 S2.2 S2.3 S3.1 S3.2 S3.3 S4.1 S4.2 S4.3 S5.1 S5.2 S5.3 S6.1 S6.2 S6.3 U1.10 U1.31 U1.61 U1.80 U1.100 U2.10 U3.10 U4.10 U5.10 U6.10 U7.4 U7.16 U9.8 U11.4 U11.16 U13.3 U15.5 X8.1 | length 249.8
  TOP w0.3: C33.1@15.486,40.529 15.74,40.783 v1(17.01,40.783) U7.16@18.661,40.783 ; U7.4@24.249,44.593 v1(25.519,44.593) ; U9.8@34.548,18.685 v1(36.06,18.685) C26.1@37.076,18.685 ; v1(38.526,23.818) R47.2@38.526,24.908 39.235,24.908 40.632,26.305 40.632,27.575 C3.1@41.902,28.845 ; U15.5@40.378,28.939 C3.1@41.808,28.939 ; U13.3@44.475,17.913 v1(44.475,19.668) ; C65.1@49.911,30.099 50.038,29.972 v1(50.927,29.972) 51.641,30.686 U1.80@55.107,30.686 ; R66.2@51.173,34.563 v1(52.305,34.563) ; U1.100@55.107,20.686 55.107,17.799 57.523,15.383 C6.1@57.523,15.002 C5.1@57.523,13.478 v1(57.523,12.346) ; v1(61.079,13.605) C66.1@61.079,14.621 61.357,14.899 U1.10@61.357,18.936 ; v1(62.349,39.132) 62.857,38.624 C64.1@62.857,38.116 63.857,37.116 U1.61@63.857,34.436 ; U1.31@70.607,23.186 71.763,23.186 76.984,17.965 C63.1@77.716,17.965 76.446,19.235 v1(76.446,19.574) ; v1(81.018,18.812) 80.637,18.431 R20.1@80.637,17.794 81.27,17.794 D1.2@82.161,18.685 ; v1(90.416,46.244) 90.416,47.13 R16.2@90.673,47.387
  TOP w0.4: R29.1@3.421,75.454 v1(3.421,76.47) ; S4.3@16.883,94.758 S4.2@16.883,92.218 S4.1@16.883,89.678 16.883,85.994 U4.10@17.137,85.74 v1(17.137,81.169) ; R25.1@23.36,75.454 v1(23.36,76.47) ; S2.3@37.171,94.758 S2.2@37.171,92.218 S2.1@37.171,89.678 37.171,86.026 U2.10@37.457,85.74 v1(37.457,81.169) ; R30.1@43.553,75.2 v1(43.553,76.343) ; S5.3@57.46,94.758 S5.2@57.46,92.218 S5.1@57.46,89.678 57.46,86.057 U5.10@57.777,85.74 v1(57.777,81.042) ; R31.1@64,75.2 v1(64,76.216) ; v1(67.048,12.462) R1.2@67.048,13.475 ; S6.3@77.748,94.758 S6.2@77.748,92.218 S6.1@77.748,89.678 77.748,86.089 U6.10@78.097,85.74 v1(78.097,81.042) ; R26.1@84.32,75.2 v1(84.32,76.216) ; R52.1@94.988,6.874 94.988,4.985 P1.1@95.893,4.08 ; S3.3@98.036,94.758 S3.2@98.036,92.218 S3.1@98.036,89.678 98.036,86.121 U3.10@98.417,85.74 v1(98.417,80.915)
  TOP w0.5: v1(7.739,49.038) R100.1@8.882,49.038 ; v1(15.232,49.419) 15.391,49.578 R101.1@15.391,50.563 ; v1(25.9,51.07) R94.1@27.043,51.07 ; R95.1@33.266,52.848 v1(34.282,52.848) ; v1(34.914,27.705) R68.2@34.914,28.718 ; L2.2@35.936,51.245 v1(37.254,51.245) ; v1(46.025,51.578) 46.982,51.578 R88.1@47.236,51.324 ; v1(52.824,51.578) 53.556,52.31 R89.1@53.556,52.975 ; v1(53.078,47.514) C68.1@53.078,46.498 53.586,45.99 U11.16@56.507,45.99 ; U11.4@62.095,49.8 v1(63.686,49.8) ; v1(64,57.039) 64.254,56.785 R50.1@64.254,55.642 ; R82.1@72.473,52.467 v1(73.652,52.467) ; C16.2@78.224,36.976 78.732,37.484 C17.2@79.812,37.484 80.32,37.992 C18.2@81.399,37.992 v1(82.285,38.878) 83.352,39.945 E1.1@84.091,39.945 87.952,39.945 L1.2@89.146,38.751 86.987,36.592 86.987,33.163 C38.1@85.971,32.147 84.45,32.147 R79.2@84.447,32.15 ; R17.2@93.594,47.387 94.607,47.387 P3.1@96.893,45.101 ; v1(98.665,33.914) R23.1@98.665,35.184
  VCC w0.3: 38.526,19.662 v1(38.526,23.818)
  VCC w0.4: v1(3.421,76.47) 4.892,76.47
  VCC w0.5: v1(34.914,27.705) 38.526,24.093 v1(38.526,23.818)
  VCC w0.6: 96.385,7.068 119.305,7.068 P18.1@122.293,4.08
  VCC w1: X8.1@1.858,13.772 5.659,13.772 7.239,12.192 7.239,9.955 9.574,7.62 9.688,7.62 ; 10.533,5.223 25.978,5.223
  other v1: 43.68,19.574
5V-AB: C14.1 C34.1 C58.1 C74.1 L2.1 P8.7 P9.7 P10.7 P11.7 | length 89.9
  TOP w0.3: P9.7@58.539,59.198 60.444,61.103 C74.1@60.444,62.941
  TOP w1: P11.7@17.645,59.071 19.169,57.547 C14.1@19.169,55.134 ; L2.1@35.936,53.345 36.433,53.345 37.33,54.242 C34.1@37.33,55.134 37.33,58.648 P10.7@37.753,59.071 ; 37.333,52.964 C34.1@37.333,55.134 ; C58.1@77.97,55.515 78.986,56.531 P8.7@78.986,59.071
  BOTTOM w1: P11.7@17.645,59.071 19.423,60.849 ; 21.328,60.849 19.423,60.849 ; P8.7@78.986,59.071 77.081,60.976 60.275,60.976 58.37,59.071 56.465,60.976 39.658,60.976 37.796,59.113 36.06,60.849 19.423,60.849